# KiCad board PC110.kicad_pcb
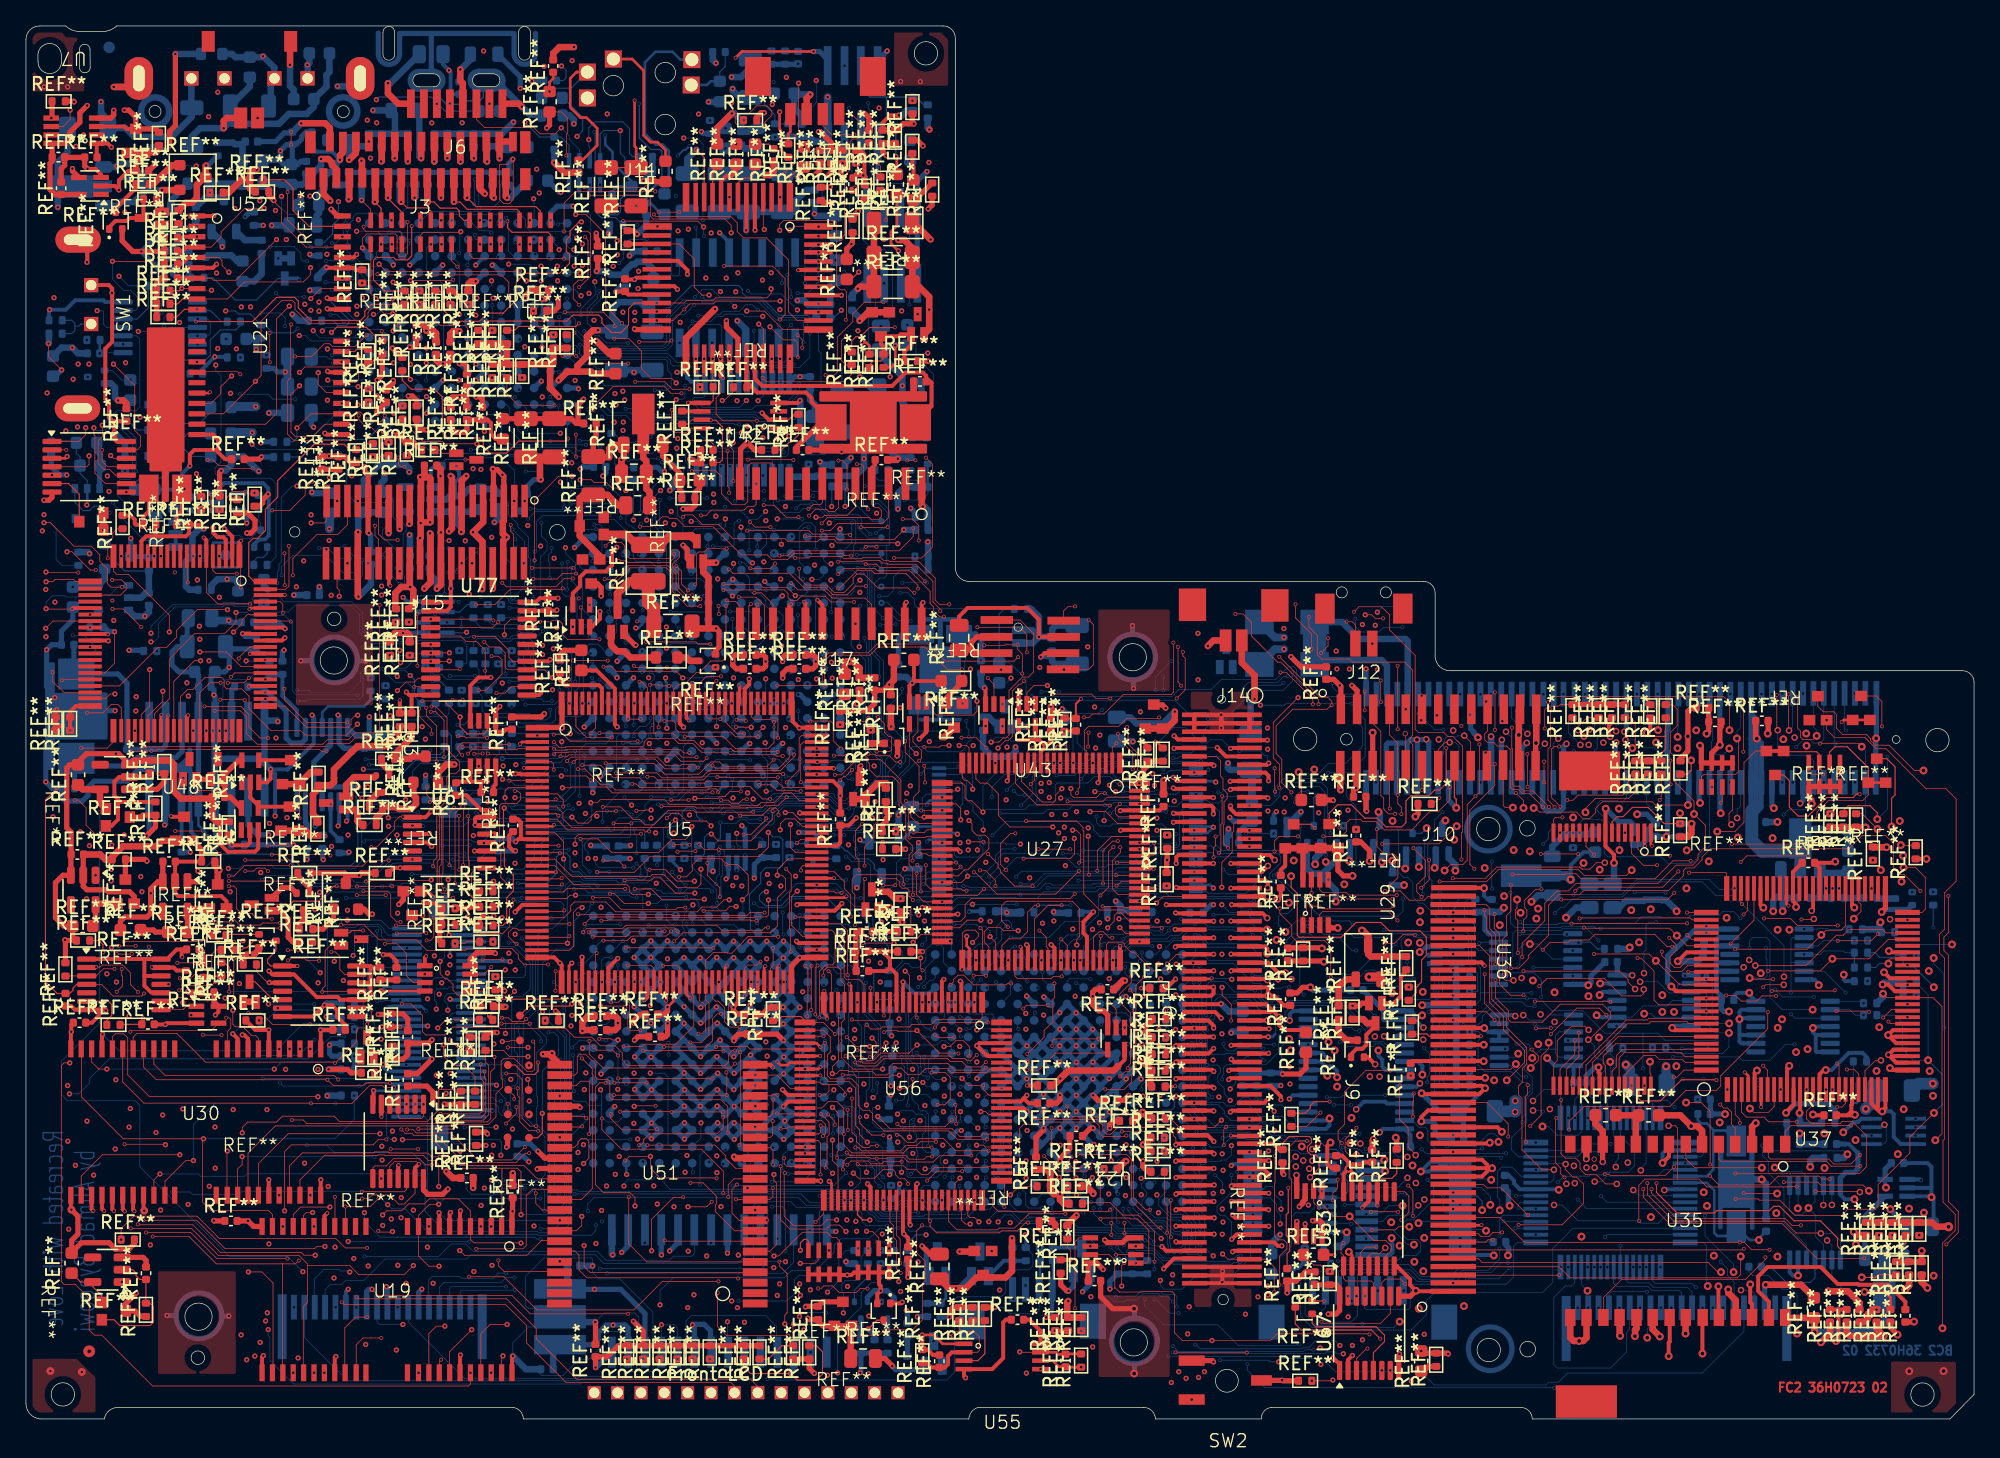
[diagram p0: board, top side]
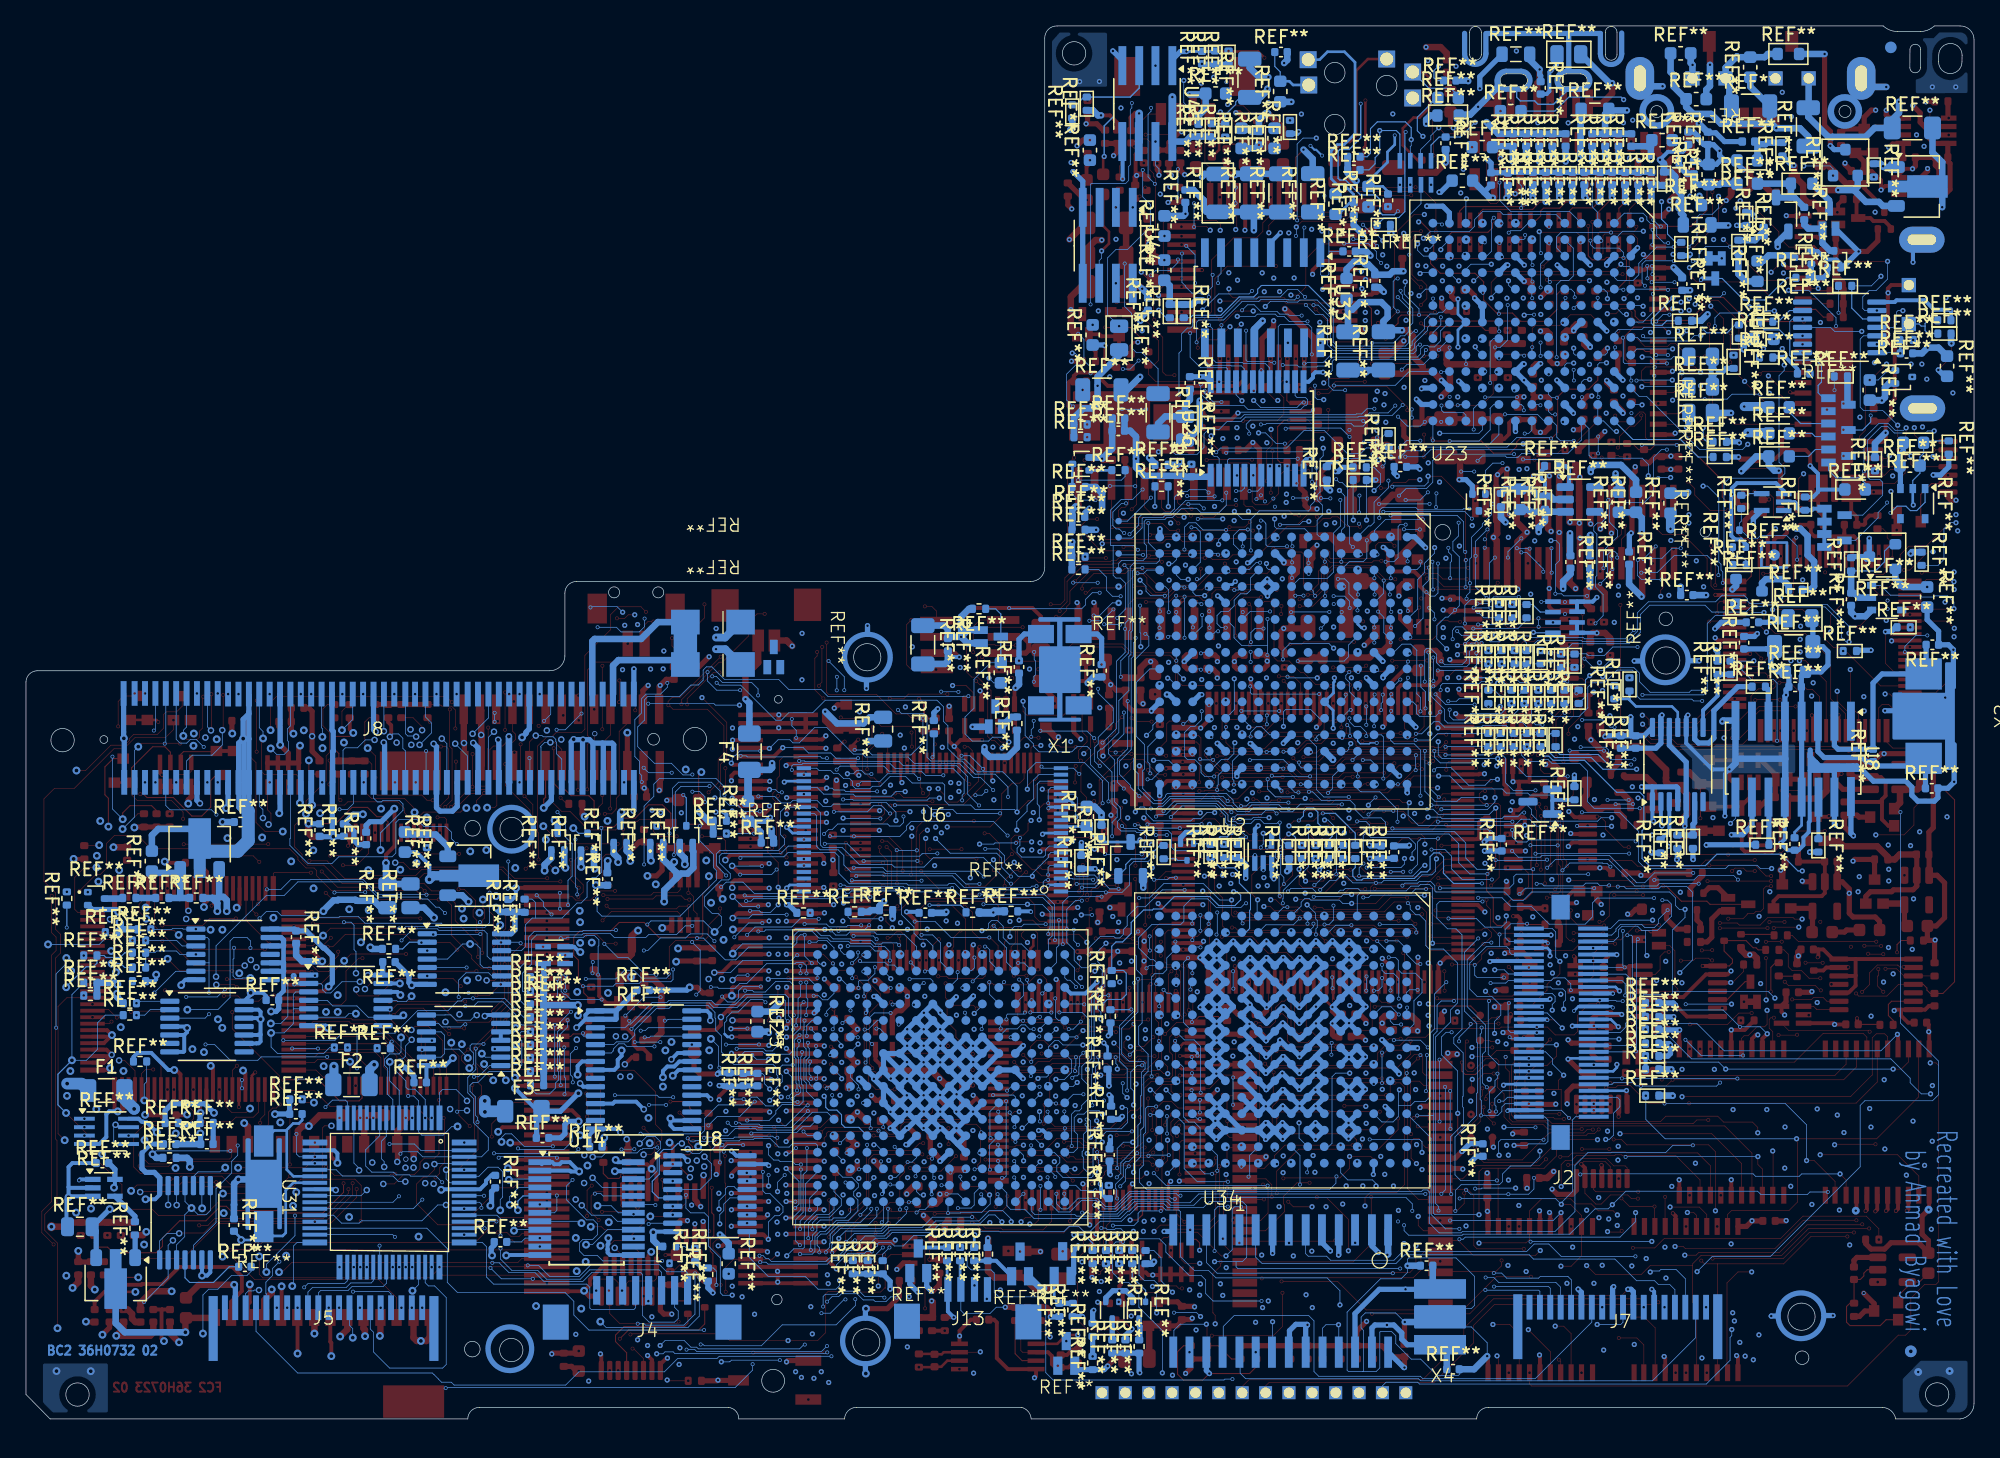
[diagram p1: board, bottom side, seen from below]

Outline 150.05 x 107.35 mm; copper layers: FC2, FC1, IP1 (plane), IC1, IC2, IC3, IC4, IP2 (plane), BC1, BC2. Coordinates in mm from the lower left corner of the outline.
Outline path: circle c2.84,1.89 r0.9 ; circle c13.24,4.72 r0.52 ; circle c13.29,7.88 r1.05 ; circle c20.7,68.36 r0.4 ; circle c23.71,58.45 r1.05 ; circle c23.74,61.66 r0.52 ; circle c40.93,68.33 r0.6 ; circle c69.32,105.24 r0.9 ; circle c85.25,58.7 r1.05 ; circle c85.33,5.9 r1.05 ; circle c92.1,55.46 r0.3 ; circle c92.21,9.2 r0.4 ; circle c92.5,2.94 r0.88 ; circle c98.53,52.39 r0.9 ; circle c101.71,52.38 r0.45 ; circle c112.64,45.46 r0.9 ; circle c112.67,5.31 r0.9 ; circle c115.65,45.52 r0.6 ; circle c115.67,5.38 r0.6 ; circle c144.05,52.36 r0.3 ; circle c146.08,1.88 r0.9 ; circle c147.23,52.31 r0.9 ; 72.62,0 38.31,0 arc(38.04,0.64) 37.4,0.89 7.08,0.89 arc(6.4,0.63) 6.04,0 1.07,0 arc(0.3,0.4) 0,1.21 0,106.3 arc(0.32,107.05) 1.08,107.35 3.06,107.35 arc(3.55,107.04) 4.11,106.92 5.93,106.92 arc(6.5,107.04) 6.99,107.35 70.62,107.35 arc(71.31,107.08) 71.58,106.4 71.58,65.61 arc(71.89,64.85) 72.66,64.54 107.66,64.54 arc(108.29,64.27) 108.54,63.64 108.54,58.8 arc(108.89,57.98) 109.72,57.66 149.19,57.66 arc(149.79,57.4) 150.05,56.79 150.05,1.89 148.19,0 116.02,0 arc(115.76,0.63) 115.13,0.89 95.95,0.89 arc(95.37,0.6) 95.15,0 87,0 arc(86.72,0.63) 86.09,0.89 73.36,0.89 arc(72.85,0.57) 72.62,0 ; 0.92,105.1 0.93,104.58 arc(1.83,103.68) 2.73,104.58 2.72,105.1 arc(1.82,106) 0.92,105.1 ; 4.12,105.53 4.12,104.15 arc(4.54,103.74) 4.95,104.15 4.94,105.53 arc(4.53,105.94) 4.12,105.53
Stack: FC2 0.0175mm / dielectric 0.081mm FR4 er 4.5 / FC1 0.0175mm / dielectric 0.095mm FR4 er 4.5 / IP1 0.0175mm / dielectric 0.103mm FR4 er 4.5 / IC1 0.0175mm / dielectric 0.095mm FR4 er 4.5 / IC2 0.0175mm / dielectric 0.103mm FR4 er 4.5 / IC3 0.0175mm / dielectric 0.095mm FR4 er 4.5 / IC4 0.0175mm / dielectric 0.103mm FR4 er 4.5 / IP2 0.0175mm / dielectric 0.095mm FR4 er 4.5 / BC1 0.0175mm / dielectric 0.081mm FR4 er 4.5 / BC2 0.0175mm

## Placement (name value [footprint] x y rotation side)
F1  -  [Fuse_1206_3216Metric]  143.86 25.31 180 bottom
F2  -  [Fuse_1206_3216Metric]  124.98 25.75 180 bottom
F3  -  [Fuse_1206_3216Metric]  111.74 23.71 180 bottom
F4  -  [Fuse_1206_3216Metric]  94.33 51.42 90 bottom
J2  -  [RAM Module]  31.84 30.39 180 bottom
J3  -  [LCD_connector]  30.31 96.89 0 top
J4  -  [Flat-8]  102.49 8.21 180 bottom
J5  -  [Flat-20]  127.13 7.27 180 bottom
J6  -  [PS2]  33.1 103.46 0 top
J7  -  [Flat-18]  27.24 7.01 180 bottom
J8  -  [Docking Port]  123.33 52.66 180 bottom
J9  -  [CF-card]  115.14 26.49 270 top
J10  -  [Modem-Connector]  108.83 52.54 0 top
J11  -  [Audio-Jack]  47.34 101.8 0 top
J12  -  [SPKR]  103.05 61.95 0 top
J13  -  [Flat-4]  77.49 7.23 180 bottom
J14  -  [BridgeBatt]  93 61.19 0 top
J15  -  [PSU_Connector]  30.96 68.34 0 top
J16  -  [PCMCIA]  92.24 32.31 270 top
J17  -  [connector-4]  60.78 102.26 0 top
Q1  -  [SOT-89-3]  115.61 41.86 180 bottom
REF**  -  [R_0402_1005Metric]  78.42 25.7 0 top
REF**#2  -  [R_0402_1005Metric]  51.02 70.96 0 top
REF**#3  -  [R_0402_1005Metric]  87.26 30.82 0 top
REF**#4  -  [Debug-10]  37.97 26.27 0 top
REF**#5  -  [C_0402_1005Metric]  63.95 97.27 90 top
REF**#6  -  [C_0402_1005Metric]  31.59 82.52 90 top
REF**#7  -  [3D]  71.44 54.41 180 top
REF**#8  -  [C_0603_1608Metric]  124.98 23.4 0 top
REF**#9  -  [C_0402_1005Metric]  97.14 11.11 90 top
REF**#10  -  [R_0402_1005Metric]  33.51 24.75 90 top
REF**#11  -  [R_0402_1005Metric]  79.7 11.75 90 top
REF**#12  -  [R_0402_1005Metric]  52.67 5.13 90 top
REF**#13  -  [R_0402_1005Metric]  61.22 94.41 90 top
REF**#14  -  [C_0402_1005Metric]  64.76 37.55 0 top
REF**#15  -  [SOT-23-5]  4.41 40.76 270 top
REF**#16  -  [3D]  142.61 49.76 0 top
REF**#17  -  [C_0402_1005Metric]  56.01 29.65 0 top
REF**#18  -  [R_0402_1005Metric]  80.26 7.31 90 top
REF**#19  -  [3D]  65.8 84.56 180 top
REF**#20  -  [R_0402_1005Metric]  35.44 30.76 0 top
REF**#21  -  [R_0402_1005Metric]  98.53 2.94 0 top
REF**#22  -  [C_0402_1005Metric]  28.54 34.32 90 top
REF**#23  -  [R_0402_1005Metric]  29.56 59.36 90 top
REF**#24  -  [C_0805_2012Metric]  46.83 72.85 0 top
REF**#25  -  [C_0603_1608Metric]  107.47 4.46 90 top
REF**#26  -  [R_0402_1005Metric]  17.76 95.5 0 top
REF**#27  -  [SOT-23-5]  11.49 40.26 270 top
REF**#28  -  [C_0402_1005Metric]  8.97 96.18 0 top
REF**#29  -  [R_0402_1005Metric]  139.99 46.13 90 top
REF**#30  -  [R_0402_1005Metric]  26.35 26.67 0 top
REF**#31  -  [R_0402_1005Metric]  8.98 95.16 0 top
REF**#32  -  [R_0402_1005Metric]  30.99 74.66 0 top
REF**#33  -  [R_0402_1005Metric]  26.97 47.15 0 top
REF**#34  -  [R_0402_1005Metric]  52.42 79.52 0 top
REF**#35  -  [R_0402_1005Metric]  97.47 23.05 90 top
REF**#36  -  [R_0402_1005Metric]  2.52 101.54 0 top
REF**#37  -  [R-array]  65.26 12.14 0 top
REF**#38  -  [C_0402_1005Metric]  48.45 29.46 0 top
REF**#39  -  [C_0603_1608Metric]  51.11 72.32 0 top
REF**#40  -  [C_0402_1005Metric]  24.07 73.68 90 top
REF**#41  -  [R_0402_1005Metric]  66.48 43.92 0 top
REF**#42  -  [C_0603_1608Metric]  121.67 23.41 0 top
REF**#43  -  [C_0402_1005Metric]  48.17 31.17 0 top
REF**#44  -  [C_0402_1005Metric]  70.35 4.45 90 top
REF**#45  -  [R_0402_1005Metric]  141.74 14.65 90 top
REF**#46  -  [C_0402_1005Metric]  140.24 7.95 90 top
REF**#47  -  [SOT-23-5]  6.28 11.5 180 top
REF**#48  -  [R_0402_1005Metric]  56.5 5.13 90 top
REF**#49  -  [R_0402_1005Metric]  123.15 54.55 90 top
REF**#50  -  [R_0402_1005Metric]  16.27 70.33 90 top
REF**#51  -  [R_0402_1005Metric]  138.98 46.13 90 top
REF**#52  -  [R_0402_1005Metric]  140.96 46.13 90 top
REF**#53  -  [C_0402_1005Metric]  55.75 58.88 0 top
REF**#54  -  [C_0402_1005Metric]  64.92 98.81 90 top
REF**#55  -  [R_0402_1005Metric]  32.54 36.65 0 top
REF**#56  -  [R_0402_1005Metric]  106.31 35.13 90 top
REF**#57  -  [C_0402_1005Metric]  80.9 21.8 180 top
REF**#58  -  [SOT-353]  77.1 54.26 270 top
REF**#59  -  [R_0402_1005Metric]  14.89 37.27 0 top
REF**#60  -  [R_0402_1005Metric]  50.19 5.13 90 top
REF**#61  -  [C_0402_1005Metric]  57.58 97.41 90 top
REF**#62  -  [SOT-416L]  45.62 61.4 0 top
REF**#63  -  [R_0402_1005Metric]  11.16 89.03 0 top
REF**#64  -  [C_0402_1005Metric]  80.87 53.5 90 top
REF**#65  -  [C_0603_1608Metric]  99.17 12.65 0 top
REF**#66  -  [R_0402_1005Metric]  26.47 45.77 0 top
REF**#67  -  [C_0402_1005Metric]  24.12 29.98 0 top
REF**#68  -  [R_0402_1005Metric]  15.62 45.52 90 top
REF**#69  -  [XTAL-2]  10.71 77.27 0 top
REF**#70  -  [R_0402_1005Metric]  102.18 31.32 90 top
REF**#71  -  [C_0402_1005Metric]  29.42 26.13 90 top
REF**#72  -  [R_0402_1005Metric]  17.45 30.71 0 top
REF**#73  -  [SOT-353]  4.93 95.02 180 top
REF**#74  DNP  [3D]  6.88 46.33 270 top  (not fitted)
REF**#75  -  [C_0402_1005Metric]  144.76 7.95 90 top
REF**#76  -  [C_0402_1005Metric]  63.73 95.16 90 top
REF**#77  -  [R_0402_1005Metric]  10.58 84.91 0 top
REF**#78  -  [C_0402_1005Metric]  4.13 30.54 0 top
REF**#79  -  [C_0402_1005Metric]  64.39 36.04 0 top
REF**#80  -  [R_0402_1005Metric]  30.09 77.56 90 top
REF**#81  -  [C_0603_1608Metric]  3.52 12.01 90 top
REF**#82  DNP  [R_0402_1005Metric]  127.41 45.37 90 top  (not fitted)
REF**#83  -  [SOT-416L]  51.72 66.84 0 top
REF**#84  -  [R-array]  27.73 91.37 0 top
REF**#85  -  [C_0402_1005Metric]  14.83 47.92 0 top
REF**#86  -  [C_0603_1608Metric]  63.08 56.62 90 top
REF**#87  -  [R_0402_1005Metric]  81.28 7.31 90 top
REF**#88  -  [3D]  14.82 40.07 0 top
REF**#89  -  [R_0402_1005Metric]  125.95 50.2 90 top
REF**#90  -  [R_0402_1005Metric]  121.14 54.55 90 top
REF**#91  -  [C_0402_1005Metric]  33.13 48.54 90 top
REF**#92  -  [C_0402_1005Metric]  62.72 46.22 90 top
REF**#93  -  [SOT-416L]  23.91 47.52 90 top
REF**#94  -  [C_0603_1608Metric]  56.16 97.47 90 top
REF**#95  -  [R_0402_1005Metric]  108.62 4.56 90 top
REF**#96  -  [C_0402_1005Metric]  27.29 34.32 90 top
REF**#97  -  [L_1210_3225Metric]  47.94 65.96 90 top
REF**#98  -  [C_0603_1608Metric]  4.01 49.64 90 top
REF**#99  -  [C_0402_1005Metric]  59.82 74.67 0 top
REF**#100  DNP  [C_0402_1005Metric]  5 97.22 0 top  (not fitted)
REF**#101  -  [R_0402_1005Metric]  79.28 7.31 90 top
REF**#102  -  [C_0402_1005Metric]  55.84 31.2 0 top
REF**#103  -  [R_0402_1005Metric]  26.36 78.88 90 top
REF**#104  -  [R_0402_1005Metric]  29.34 74.77 90 top
REF**#105  -  [SOT-416L]  17.27 32.9 0 top
REF**#106  -  [R_0402_1005Metric]  67.36 39.59 90 top
REF**#107  -  [C_0402_1005Metric]  9.51 68.91 0 top
REF**#108  DNP  [R_0402_1005Metric]  35.92 83.38 90 top  (not fitted)
REF**#109  -  [R_0402_1005Metric]  22.45 45.48 90 top
REF**#110  -  [R_0402_1005Metric]  72.91 8.09 90 top
REF**#111  -  [C_0402_1005Metric]  44.24 31.05 0 top
REF**#112  -  [R_0402_1005Metric]  57.18 74.67 0 top
REF**#113  -  [R_0402_1005Metric]  14.04 42.96 0 top
REF**#114  -  [C_0402_1005Metric]  67.95 12.78 90 top
REF**#115  -  [C_0402_1005Metric]  22.77 73.68 90 top
REF**#116  -  [R_0402_1005Metric]  126.3 54.54 90 top
REF**#117  -  [R_0402_1005Metric]  68.27 98.04 90 top
REF**#118  -  [R_0402_1005Metric]  46.34 91.06 90 top
REF**#119  -  [C_0603_1608Metric]  99.01 47.7 0 top
REF**#120  -  [R_0402_1005Metric]  78.39 17.92 0 top
REF**#121  -  [TSSOP-14_4.4x5mm_P0.65mm]  22.62 32.96 0 top
REF**#122  -  [C_0402_1005Metric]  42.55 96.53 90 top
REF**#123  -  [3D]  134.68 50.75 180 top
REF**#124  -  [TSSOP-14_4.4x5mm_P0.65mm]  7.54 33.49 0 top
REF**#125  -  [3D]  86.92 53.93 0 top
REF**#126  -  [C_0402_1005Metric]  35.53 48.3 0 top
REF**#127  -  [R_0402_1005Metric]  66.23 48.09 90 top
REF**#128  DNP  [R_0402_1005Metric]  59.08 5.13 90 top  (not fitted)
REF**#129  -  [C_0402_1005Metric]  100.91 19.81 90 top
REF**#130  -  [R_0402_1005Metric]  123.97 50.2 90 top
REF**#131  -  [R_0402_1005Metric]  59.5 76.91 90 top
REF**#132  -  [R_0402_1005Metric]  64.96 81.54 90 top
REF**#133  -  [R_0402_1005Metric]  71.89 8.09 90 top
REF**#134  -  [R_0402_1005Metric]  80.86 16.59 0 top
REF**#135  -  [R_0402_1005Metric]  98.37 35.8 90 top
REF**#136  -  [R_0402_1005Metric]  87.17 19.04 0 top
REF**#137  -  [R_0402_1005Metric]  65.81 95.2 90 top
REF**#138  -  [C_1206_3216Metric]  49.83 61.09 0 top
REF**#139  -  [R_0402_1005Metric]  87.23 23.16 0 top
REF**#140  -  [R_0402_1005Metric]  62.01 97.27 90 top
REF**#141  DNP  [R_0402_1005Metric]  106.75 30.17 90 top  (not fitted)
REF**#142  -  [R_0402_1005Metric]  101.11 31.31 90 top
REF**#143  DNP  [C_0603_1608Metric]  67.62 58.5 0 top  (not fitted)
REF**#144  -  [R-array]  138.5 49.59 0 top
REF**#145  -  [R_0402_1005Metric]  87.24 26.84 0 top
REF**#146  -  [L_0603_1608Metric]  49.26 96.14 90 top
REF**#147  -  [C_0402_1005Metric]  97.38 32.35 90 top
REF**#148  -  [R_0402_1005Metric]  34.18 28.91 90 top
REF**#149  -  [R_0402_1005Metric]  29 77.56 90 top
REF**#150  -  [L_0603_1608Metric]  40.33 101.51 90 top
REF**#151  -  [SOT-353]  74.56 54.24 270 top
REF**#152  -  [C_0402_1005Metric]  40.2 62.77 90 top
REF**#153  -  [SOT-416]  102.56 28.53 90 top
REF**#154  -  [R_0402_1005Metric]  13.5 70.6 90 top
REF**#155  -  [C_1206_3216Metric]  47 94.96 90 top
REF**#156  -  [SOT-416]  66.64 52.71 90 top
REF**#157  -  [SOT-416L]  18.19 39.71 90 top
REF**#158  -  [C_0402_1005Metric]  97.2 35.8 90 top
REF**#159  -  [C_0402_1005Metric]  137.29 42.86 0 top
REF**#160  -  [TSSOP-14_4.4x5mm_P0.65mm]  4.87 73.38 0 top
REF**#161  -  [SOT-416L]  65.21 40.01 0 top
REF**#162  -  [R_0402_1005Metric]  26.72 74.66 90 top
REF**#163  -  [R_0402_1005Metric]  6.74 30.37 0 top
REF**#164  -  [R_0402_1005Metric]  11.16 91.02 0 top
REF**#165  -  [C_1206_3216Metric]  66.79 89.51 0 top
REF**#166  -  [3D]  29.69 39.94 180 top
REF**#167  -  [R_0402_1005Metric]  62.91 97.27 90 top
REF**#168  -  [C_0402_1005Metric]  100.15 57.48 90 top
REF**#169  -  [C_0402_1005Metric]  138.97 23.4 0 top
REF**#170  -  [C_0402_1005Metric]  106.66 26.92 90 top
REF**#171  -  [R_0402_1005Metric]  41.14 57.98 90 top
REF**#172  -  [R_0402_1005Metric]  15.54 36.15 0 top
REF**#173  -  [SOT-416L]  25.02 36.92 270 top
REF**#174  -  [C_0402_1005Metric]  68.86 79.96 0 top
REF**#175  -  [C_1206_3216Metric]  38.51 75.61 90 top
REF**#176  -  [C_0402_1005Metric]  52.44 74.67 0 top
REF**#177  -  [R-array]  61.44 11.99 0 top
REF**#178  -  [R_0402_1005Metric]  21.58 36.76 0 top
REF**#179  -  [R_0402_1005Metric]  11.76 92.64 90 top
REF**#180  -  [C_0402_1005Metric]  27.74 78.83 90 top
REF**#181  -  [R_0402_1005Metric]  35.46 36.78 0 top
REF**#182  -  [R_0402_1005Metric]  107.73 47.4 0 top
REF**#183  -  [C_0402_1005Metric]  82.3 10.64 0 top
REF**#184  -  [R_0402_1005Metric]  87.07 33.19 0 top
REF**#185  -  [SOT-353]  68.7 54.41 270 top
REF**#186  -  [D_0603_1608Metric]  71.28 56.87 180 top
REF**#187  -  [3D]  8.51 98.29 0 top
REF**#188  -  [R_0402_1005Metric]  87.17 20.64 0 top
REF**#189  DNP  [R_0402_1005Metric]  37.04 80.76 90 top  (not fitted)
REF**#190  -  [SOT-23-5]  6.85 49.47 180 top
REF**#191  DNP  [R_0402_1005Metric]  38.22 80.76 90 top  (not fitted)
REF**#192  -  [R_0402_1005Metric]  3.4 53.57 90 top
REF**#193  -  [R_0402_1005Metric]  87.23 25.61 0 top
REF**#194  -  [C_0402_1005Metric]  9.4 30.41 0 top
REF**#195  -  [3D]  5.23 69.2 90 top
REF**#196  -  [R_0402_1005Metric]  29.5 61.92 90 top
REF**#197  -  [R_0402_1005Metric]  35.46 40.67 0 top
REF**#198  DNP  [C_0402_1005Metric]  61.13 97.27 90 top  (not fitted)
REF**#199  -  [R_0402_1005Metric]  40.5 30.7 0 top
REF**#200  -  [C_0402_1005Metric]  7.73 77.38 90 top
REF**#201  -  [R_0402_1005Metric]  30.31 86.41 90 top
REF**#202  -  [C_0402_1005Metric]  102.45 44.95 90 top
REF**#203  -  [TSSOP-14_4.4x5mm_P0.65mm]  28.67 21.39 270 top
REF**#204  -  [R_0402_1005Metric]  27.44 82.58 90 top
REF**#205  -  [C_0402_1005Metric]  142.54 7.95 90 top
REF**#206  -  [C_0402_1005Metric]  15.79 15.26 0 top
REF**#207  -  [R_0402_1005Metric]  51.34 5.13 90 top
REF**#208  -  [C_0402_1005Metric]  83.62 24.55 180 top
REF**#209  -  [C_0402_1005Metric]  3.05 32.31 90 top
REF**#210  -  [R_0402_1005Metric]  81.27 4.5 90 top
REF**#211  -  [R_0402_1005Metric]  67.65 37.57 0 top
REF**#212  -  [C_0402_1005Metric]  30.08 83.87 90 top
REF**#213  -  [R_0402_1005Metric]  83.55 19.25 0 top
REF**#214  -  [R_0402_1005Metric]  35.46 38.03 0 top
REF**#215  -  [3D]  97.7 44.71 0 top
REF**#216  -  [C_0402_1005Metric]  55.75 57.81 0 top
REF**#217  -  [C_0402_1005Metric]  87.62 47.68 90 top
REF**#218  -  [C_0603_1608Metric]  67.08 95.14 90 top
REF**#219  -  [C_0402_1005Metric]  37.43 53.62 90 top
REF**#220  -  [R_0402_1005Metric]  87.26 28.1 0 top
REF**#221  -  [3D]  7.71 40.44 0 top
REF**#222  -  [R_0402_1005Metric]  27.89 50.87 0 top
REF**#223  -  [R_0402_1005Metric]  29.7 53.89 90 top
REF**#224  -  [R_0402_1005Metric]  66.93 98.81 90 top
REF**#225  -  [SOT-416L]  64.26 48.52 0 top
REF**#226  -  [R_0402_1005Metric]  18.19 94.59 0 top
REF**#227  -  [R_0402_1005Metric]  15.04 34.65 90 top
REF**#228  -  [C_0402_1005Metric]  2.71 94.84 90 top
REF**#229  -  [C_0805_2012Metric]  70.36 11.75 90 top
REF**#230  -  [C_0603_1608Metric]  137.72 8.56 90 top
REF**#231  -  [C_0402_1005Metric]  43.87 5.27 90 top
REF**#232  -  [SOT-23]  24.64 40.28 90 top
REF**#233  -  [SOT-353]  42.77 61.9 90 top
REF**#234  -  [R_0402_1005Metric]  22.54 49.34 90 top
REF**#235  -  [SOT-416]  18.6 36.85 0 top
REF**#236  -  [C_0603_1608Metric]  8.05 37.68 0 top
REF**#237  -  [C_0402_1005Metric]  9.52 50.25 90 top
REF**#238  -  [C_0402_1005Metric]  43.44 76.72 0 top
REF**#239  -  [C_0402_1005Metric]  3.96 43.5 0 top
REF**#240  -  [R_0402_1005Metric]  28.11 30.71 90 top
REF**#241  -  [R_0402_1005Metric]  55.78 100.09 0 top
REF**#242  -  [C_0402_1005Metric]  32.68 82.52 90 top
REF**#243  -  [R_0402_1005Metric]  142.26 43.57 90 top
REF**#244  -  [R_0402_1005Metric]  11.16 87.92 0 top
REF**#245  DNP  [C_1206_3216Metric]  44.7 94.96 90 top  (not fitted)
REF**#246  -  [C_0402_1005Metric]  29.41 29.44 90 top
REF**#247  -  [C_0402_1005Metric]  103.69 20.27 90 top
REF**#248  -  [R_0402_1005Metric]  87.9 44.49 90 top
REF**#249  -  [C_0402_1005Metric]  78.95 53.5 90 top
REF**#250  -  [C_0402_1005Metric]  77.8 19.71 90 top
REF**#251  -  [R_0402_1005Metric]  7.84 13.82 0 top
REF**#252  -  [C_0402_1005Metric]  59.57 57.81 0 top
REF**#253  -  [R_0402_1005Metric]  34.59 24.75 90 top
REF**#254  -  [SOT-353]  17.24 46.23 90 top
REF**#255  -  [R-array]  35.34 91.37 0 top
REF**#256  -  [3D]  20.45 49.65 0 top
REF**#257  -  [R_0402_1005Metric]  27.93 74.77 90 top
REF**#258  -  [R_0402_1005Metric]  55.28 5.13 90 top
REF**#259  -  [R_0402_1005Metric]  32.7 86.41 90 top
REF**#260  -  [R_0402_1005Metric]  21.44 42.07 0 top
REF**#261  -  [R_0402_1005Metric]  66.62 55.29 90 top
REF**#262  DNP  [3D]  12.23 45.28 0 top  (not fitted)
REF**#263  -  [SOT-353]  83.97 29.31 270 top
REF**#264  -  [C_0402_1005Metric]  46.15 87.37 90 top
REF**#265  -  [3D]  43.49 65.51 180 top
REF**#266  -  [L_0603_1608Metric]  36.73 76.3 90 top
REF**#267  -  [SOT-416]  98.42 8.6 180 top
REF**#268  -  [C_0402_1005Metric]  9.25 11.23 90 top
REF**#269  -  [C_0402_1005Metric]  64.43 34.52 0 top
REF**#270  -  [C_0402_1005Metric]  102.73 47.95 0 top
REF**#271  -  [SOT-416L]  103.9 31.29 180 top
REF**#272  DNP  [R_0402_1005Metric]  35.91 80.76 90 top  (not fitted)
REF**#273  -  [C_0603_1608Metric]  53.23 97.49 90 top
REF**#274  -  [R_0402_1005Metric]  100.43 10.85 90 top
REF**#275  -  [SOT-416L]  26.33 28.61 0 top
REF**#276  -  [R_0402_1005Metric]  68.17 81.52 0 top
REF**#277  -  [R_0402_1005Metric]  34.67 21.59 90 top
REF**#278  -  [R_0402_1005Metric]  29.17 86.41 90 top
REF**#279  -  [C_1206_3216Metric]  40.68 75.61 90 top
REF**#280  -  [R_0402_1005Metric]  79.98 53.5 90 top
REF**#281  -  [R_0402_1005Metric]  32.54 38.1 0 top
REF**#282  -  [R_0402_1005Metric]  63.6 81.72 90 top
REF**#283  DNP  [R_0402_1005Metric]  37.06 83.38 90 top  (not fitted)
REF**#284  -  [R_0402_1005Metric]  57.54 31.2 90 top
REF**#285  -  [R_0402_1005Metric]  10.24 98.65 90 top
REF**#286  -  [C_0402_1005Metric]  31.17 73.47 0 top
REF**#287  -  [R_0402_1005Metric]  106.51 32.77 90 top
REF**#288  -  [C_0402_1005Metric]  65.89 73.91 0 top
REF**#289  DNP  [R_0402_1005Metric]  60.33 5.13 90 top  (not fitted)
REF**#290  -  [R_0402_1005Metric]  87.86 41.59 90 top
REF**#291  -  [C_0603_1608Metric]  68.35 94.71 90 top
REF**#292  -  [3D]  6.57 8.27 270 top
REF**#293  -  [R_0402_1005Metric]  127.44 50.2 90 top
REF**#294  -  [C_0402_1005Metric]  12.09 68.91 0 top
REF**#295  -  [SOT-416]  52.46 58.42 180 top
REF**#296  -  [C_0402_1005Metric]  129.13 54.8 0 top
REF**#297  -  [C_0402_1005Metric]  37.49 17.51 90 top
REF**#298  -  [R_0402_1005Metric]  39.6 85.39 0 top
REF**#299  -  [R_0402_1005Metric]  50.54 77.17 90 top
REF**#300  -  [R_0402_1005Metric]  80.75 17.92 0 top
REF**#301  -  [R_0402_1005Metric]  86.37 51.2 90 top
REF**#302  -  [SOT-353]  17.28 49.91 90 top
REF**#303  -  [C_0402_1005Metric]  99.27 10.85 90 top
REF**#304  -  [R_0402_1005Metric]  67.65 36.02 0 top
REF**#305  -  [R_0402_1005Metric]  124.94 50.2 90 top
REF**#306  -  [C_0402_1005Metric]  133.71 53.8 0 top
REF**#307  -  [R_0402_1005Metric]  17.24 35.02 0 top
REF**#308  -  [3D]  20.35 46.06 0 top